# KiCad board 2025_bsides_badge_v1.kicad_pcb (continued)
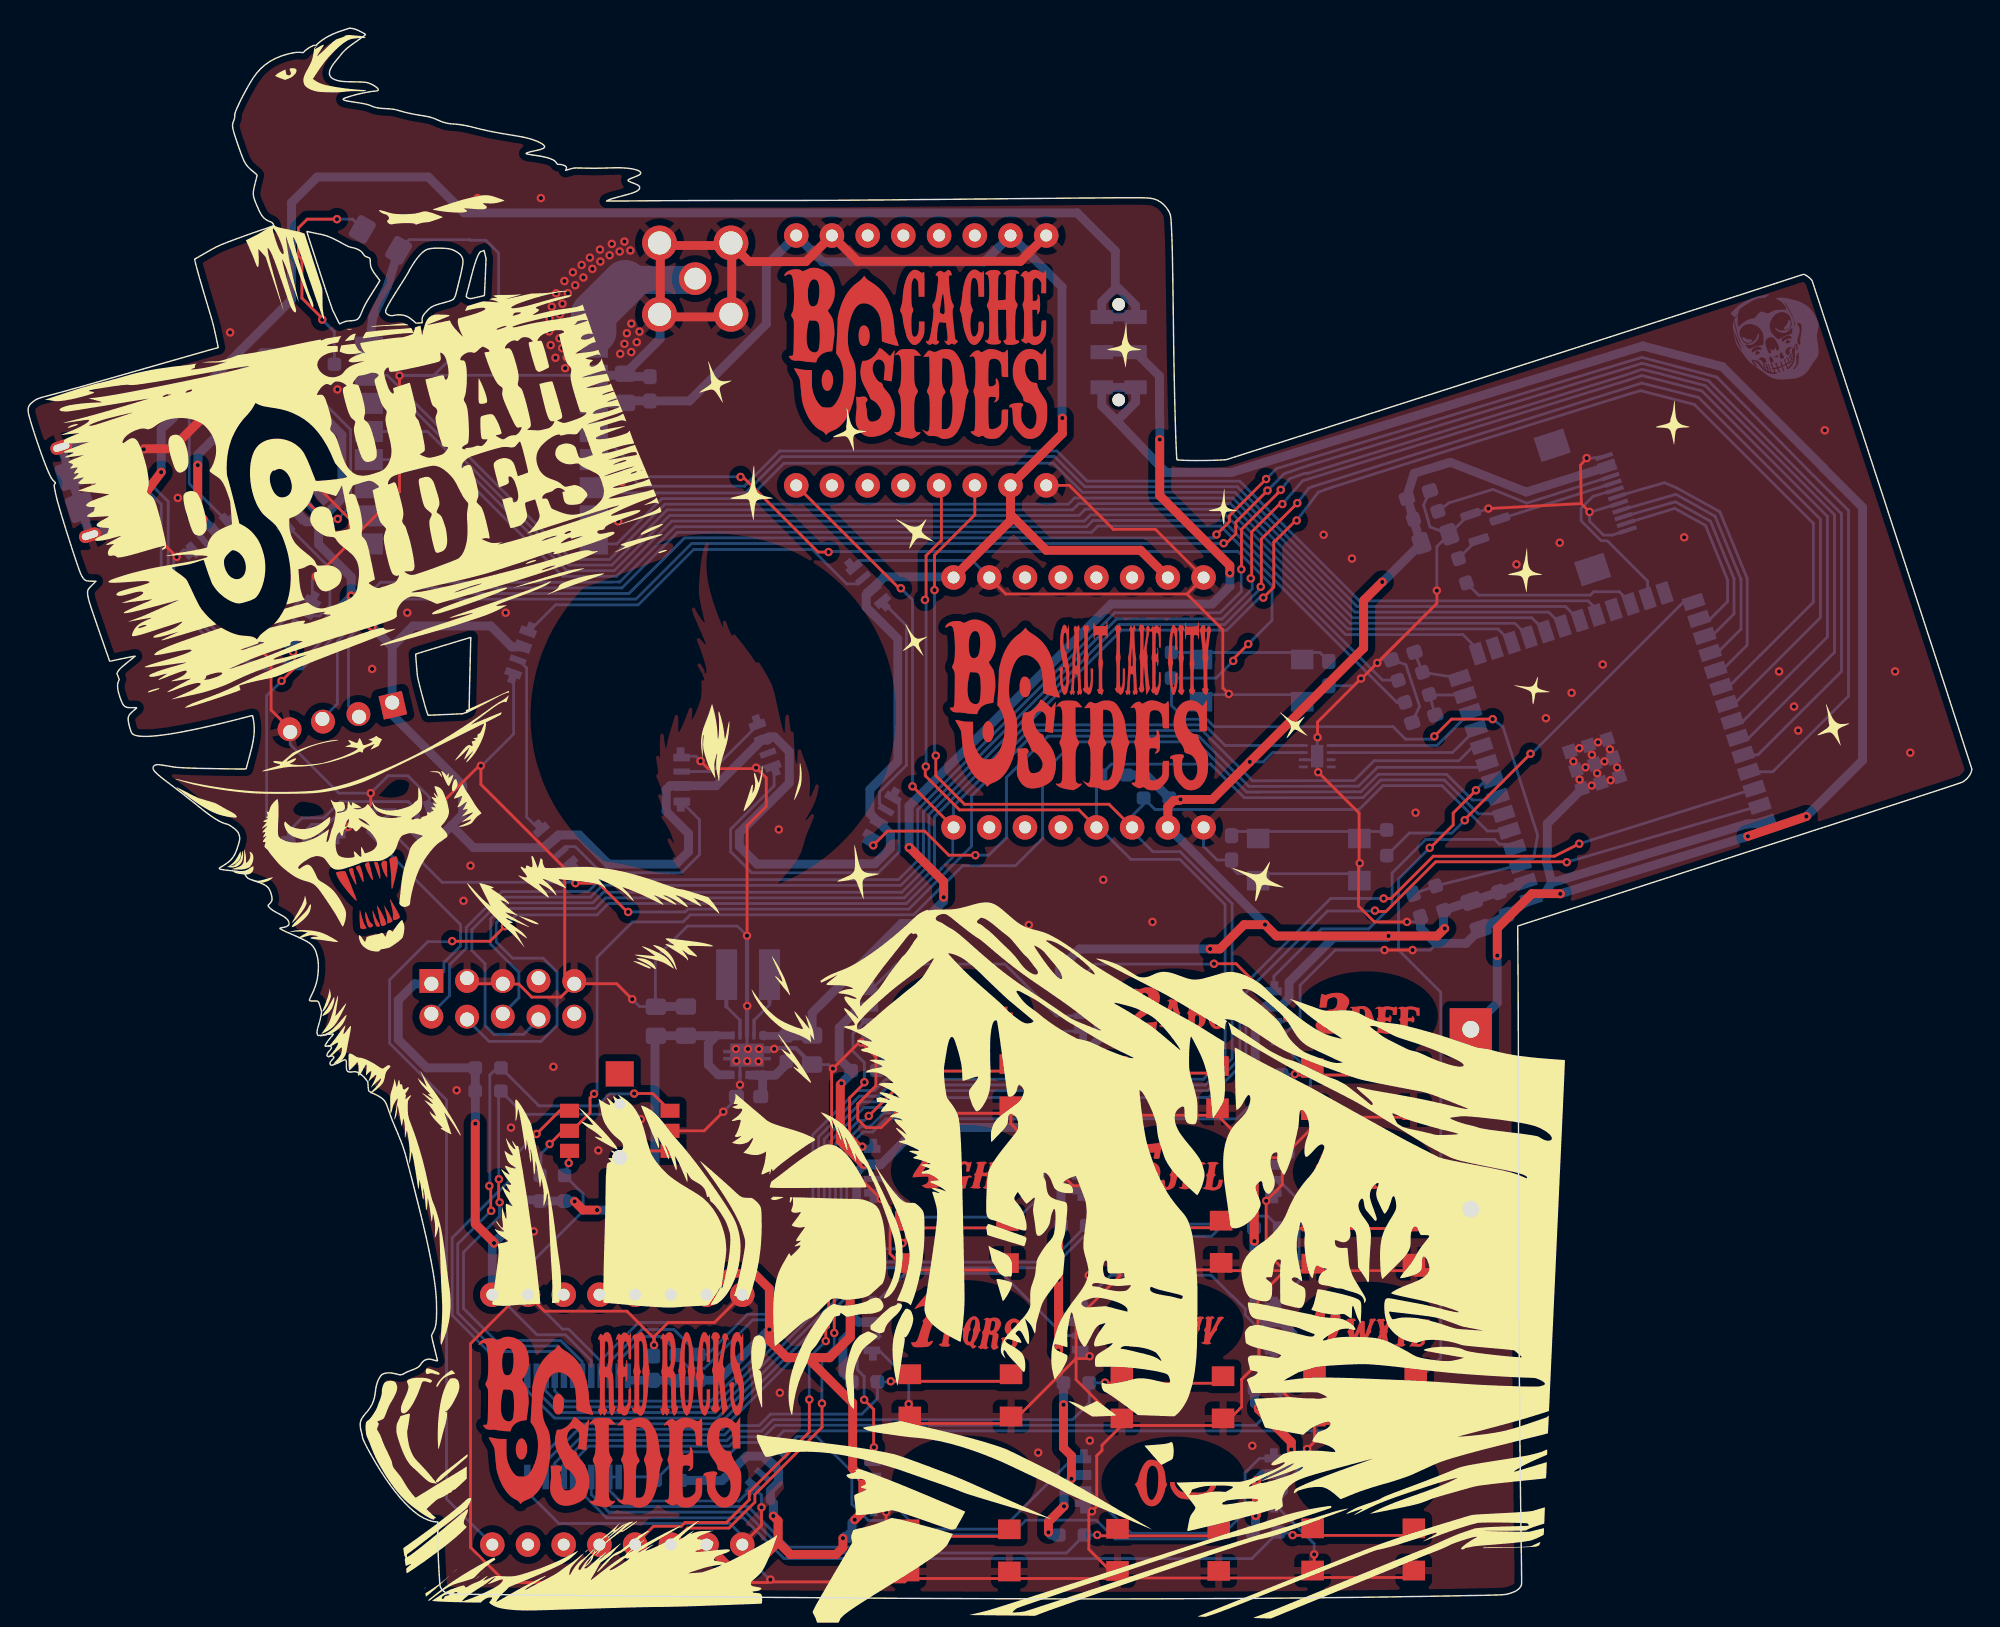
[diagram p0: board, top side]
## Routing (per net, layer and track width the routed paths; a pad name or vN(x,y) marks a point on that pad's centre or on a via; arc(x,y) is an arc through that point) (continued)
Net-(D18-DOUT): length 6.9
  Bottom w0.2: D18.3 48.58,58.86 D19.1
Net-(D20-DOUT): length 10.9
  Bottom w0.2: D20.3 27.55,56.2 27.03,56.73 22.2,56.73 21.03,55.56 19.48,55.56 18.82,54.91 18.82,54.11 D21.1
Net-(D21-DOUT): length 20.4
  Top w0.2: v1(18.84,67.37) 18.96,67.25 18.96,66.25 v1(18.02,65.32)
  Bottom w0.2: v1(18.84,67.37) 18.77,67.45 18.77,67.85 18.64,67.98 D22.1 ; v1(18.02,65.32) 16.96,64.25 16.96,54.34 18.64,52.67 19.81,52.67 20.84,53.7 D21.3
Net-(D22-DOUT): length 9.2
  Bottom w0.2: D23.1 21.46,73.34 21.46,70.67 20.74,69.94 19.86,69.94 D22.3
Net-(D23-DOUT): length 18.1
  Top w0.2: v1(22.02,76.84) 21.05,76.84 v1(19.63,78.26)
  Bottom w0.2: v1(19.63,78.26) 20.01,77.88 D23.3 ; v1(22.02,76.84) 22.93,77.75 22.93,83.2 19.4,86.73 D24.1
Net-(D24-DOUT): length 13
  Bottom w0.2: D24.3 14.22,86.14 13.44,86.14 11.46,84.17 11.46,79.34 D25.1
Net-(D27-A): length 15.9
  Top w0.2: v1(21.96,98.17) 19.85,98.17 19.22,97.54 19.22,95.54 19.47,95.29 19.47,92.55 20.92,91.11 v1(20.92,91.02)
  Bottom w0.2: v1(20.92,91.02) 21.78,90.15 R27.2 ; v1(21.96,98.17) 23.07,98.17 23.77,97.47 D27.2
Net-(J1-Pad9): length 13.1
  Bottom w0.2: R11.2 101.04,77.98 104.17,78.94 106.58,77.96 J1.9
Net-(J4-D+): length 109.5
  Bottom w0.2: 37.96,72.33 37.93,72.33 ; 37.96,72.33 42.07,72.35 46.01,76.29 75.29,76.29 75.73,76.73 84.97,76.73 96.32,65.37 97.29,65.37 ; 37.96,72.33 25.06,72.33 19.4,66.67 15.03,66.67 9.96,71.73 9.96,77.44 9.96,77.44 9.96,78.07 8.26,79.78 6.06,79.78 J4.3
Net-(J4-D-): length 110.2
  Bottom w0.2: 6.44,79.17 6.53,79.26 8.1,79.26 9.46,77.89 9.46,71.67 14.96,66.17 19.46,66.17 25.23,71.93 42.23,71.93 46.18,75.89 75.64,75.89 76.08,76.33 84.8,76.33 97.34,63.79 R25.2 ; 6.29,79.19 J4.2
Net-(Q1-B): length 2
  Bottom w0.2: R10.2 103.06,75.35 Q1.1
Net-(Q1-C): length 8.4
  Bottom w0.2: J1.8 Q1.3
Net-(SW15-B): length 76.7
  Top w0.635: v1(80.48,82.49) 80.48,78.5 85.46,73.52 v1(85.46,72.99) ; v1(62.65,53.46) 62.69,53.46 65.11,51.03 v1(65.11,49.92)
  Bottom w0.2: 53.89,40.08 R31.1 ; 55.72,40.06 C8.1 ; U1.5 52.14,40.08
  Bottom w0.55: R31.1 52.37,40.06
  Bottom w0.635: v1(65.11,49.92) 65.11,49.65 63.52,48.06 62.13,48.06 55.76,41.68 C8.1 ; 52.37,40.06 52.32,40.11 ; v1(85.46,72.99) 85.46,72.03 84.21,70.78 77.03,70.78 62.65,56.41 v1(62.65,53.46) ; v1(80.48,82.49) 80.48,84.15 80.46,84.17 80.46,85.86 80.46,85.86 80.46,87 SW15.2 SW15.2 ; R31.1 55.72,40.06
Net-(U1-EN): length 4.7
  Bottom w0.635: 51.34,37.27 51.87,37.27 51.87,37.26 ; R31.2 53.91,38.03 53.14,37.26 52.36,37.26 ; 52.24,35.78 52.24,37.14 52.36,37.26 ; 52.36,37.26 51.87,37.26 ; 51.87,37.26 51.85,37.24 ; 52.24,37.29 52.24,37.29
Net-(U1-L1): length 4.8
  Bottom w0.2: 52.73,42.43 52.73,42.26 51.63,41.16
  Bottom w0.25: U1.4 51.63,41.16
  Bottom w0.3: 52.73,42.43 L1.1
Net-(U1-L2): length 4.1
  Bottom w0.2: 50.63,41.18 49.65,42.15
  Bottom w0.25: U1.2 50.63,41.18
  Bottom w0.3: 49.65,42.15 49.65,43.79
Net-(U7-P00): length 32.3
  Top w0.2: v1(61.37,4.43) 61.39,4.45 69.78,4.45
  Bottom w0.2: v1(61.37,4.43) 60.45,4.43 R1.2 59.64,3.69 54.07,3.69 51.2,6.57 41.47,6.57 40.7,7.33 U7.4
Net-(U7-P01): length 48.2
  Top w0.2: v1(76.04,4.55) 76.1,4.49 84.67,4.49
  Bottom w0.2: v1(76.04,4.55) 76.03,4.54 R2.2 73.85,3.27 53.93,3.27 51.03,6.17 41.31,6.17 40.05,7.42 U7.5
Net-(U7-P02): length 63.1
  Top w0.2: v1(89.93,4.54) 89.95,4.52 98.55,4.52
  Bottom w0.2: v1(89.93,4.54) 89.79,4.68 88.85,4.68 87.03,2.87 53.76,2.87 50.86,5.77 41.14,5.77 39.4,7.5 U7.6
Net-(U7-P03): length 63.9
  Top w0.2: 98.69,15.48 90.37,15.48 v1(90.22,15.33)
  Bottom w0.2: v1(90.22,15.33) 89.85,14.95 R4.2 89.04,14.09 87.31,12.35 53.14,12.35 52.32,11.53 50.53,11.53 49.86,10.87 39.87,10.87 38.75,9.75 U7.7
Net-(U7-P04): length 51.2
  Top w0.2: v1(76.59,15.39) 76.63,15.34 84.98,15.34
  Bottom w0.2: v1(76.59,15.39) 76.57,15.37 R5.2 75.46,13.93 74.28,12.75 52.97,12.75 52.15,11.93 50.36,11.93 49.7,11.27 39.62,11.27 38.1,9.75 U7.8
Net-(U7-P05): length 36.8
  Top w0.2: 69.91,15.48 61.35,15.48 v1(61.35,15.48)
  Bottom w0.2: v1(61.35,15.48) 61.32,15.45 R6.2 60.41,14.27 59.29,13.15 52.81,13.15 51.99,12.33 50.19,12.33 49.53,11.67 39.45,11.67 37.45,9.67 U7.9
  Bottom w0.635: 60.19,15.59 60.45,15.59
Net-(U7-P06): length 70.5
  Top w0.2: v1(89.77,26.29) 89.84,26.35 98.56,26.35
  Bottom w0.2: U7.10 36.8,9.75 39.12,12.07 49.36,12.07 60.86,23.56 72.83,23.56 75.07,25.8 84.16,25.8 85.6,27.23 88.16,27.23 R7.2 89.1,26.29 v1(89.77,26.29)
Net-(U7-P07): length 56.8
  Top w0.2: 84.84,26.41 76.49,26.41 v1(76.35,26.55)
  Bottom w0.2: U7.11 36.15,9.75 38.87,12.47 49.2,12.47 60.69,23.96 72.67,23.96 R8.2 76.33,26.57 v1(76.35,26.55)
Net-(U7-P10): length 43.4
  Top w0.2: 62.45,26.4 62.45,25.58 v1(62.19,25.31) 63.27,26.4 69.65,26.4
  Bottom w0.2: U7.13 35.5,14.8 37.44,12.87 49.03,12.87 60.17,24.01 R15.2 61.78,24.9 v1(62.19,25.31)
Net-(U7-P11): length 80.1
  Top w0.2: 98.53,37.27 90.15,37.27 v1(90.09,37.33)
  Bottom w0.2: v1(90.09,37.33) 90.07,37.31 R16.2 89.11,37.31 85.96,34.16 61,34.16 60.06,33.22 59.39,33.22 58.22,32.04 58.22,27.78 58.81,27.19 58.81,23.21 48.87,13.27 37.69,13.27 36.15,14.8 U7.14
Net-(U7-P12): length 66.4
  Top w0.2: v1(73.03,35.07) 73.03,35.12 75.47,37.57 v1(75.96,37.57) 76.12,37.41 84.58,37.41
  Bottom w0.2: R17.2 75.32,37.81 75.56,37.57 v1(75.96,37.57) ; v1(73.03,35.07) 72.86,35.07 72.36,34.56 60.83,34.56 59.89,33.62 59.23,33.62 57.82,32.21 57.82,27.61 58.41,27.02 58.41,23.38 48.7,13.67 37.94,13.67 36.8,14.8 U7.15
Net-(U7-P13): length 53.1
  Top w0.2: v1(59.79,34.36) 62.66,37.23 62.66,37.53 62.69,37.55 ; 62.69,37.55 62.69,37.79 62.05,38.42 v1(61.36,38.42) ; 62.69,37.55 69.89,37.55
  Bottom w0.2: v1(59.79,34.36) 59.46,34.03 59.08,34.03 57.42,32.37 57.42,27.45 58.01,26.85 58.01,23.54 48.54,14.07 38.19,14.07 37.45,14.8 U7.16 ; v1(61.36,38.42) 60.75,38.42 60.36,38.03 R18.2
Net-(U7-P14): length 28.8
  Top w0.2: S1.1 37.81,34.73 v1(36.16,33.08)
  Bottom w0.2: U7.17 38.1,16.95 37.46,17.59 32.74,17.59 30.16,20.18 30.16,25.68 R19.2 34.69,31.61 v1(36.16,33.08)
Net-(U7-P15): length 43.6
  Top w0.2: S1.4 44.42,35.95 v1(43.1,35.95) ; v1(32.8,29.38) 32.9,29.28 32.9,27.64 v1(32.93,27.61)
  Bottom w0.2: v1(43.1,35.95) 43.07,35.93 41.35,35.93 40.51,35.08 36.33,35.08 R20.2 33.34,37.78 32.83,37.27 32.83,29.42 v1(32.8,29.38) ; v1(32.93,27.61) 32.91,27.61 30.56,25.26 30.56,20.34 32.91,17.99 37.63,17.99 38.75,16.87 U7.18
Net-(U7-P16): length 41.4
  Top w0.2: v1(33.53,28.21) 33.46,28.28 33.46,29.84 v1(33.48,29.86) ; S1.6 43.8,31.88 v1(43.76,31.92)
  Bottom w0.2: v1(43.76,31.92) 43.67,31.92 41.11,34.48 35.28,34.48 R21.2 33.46,35.98 33.46,29.87 v1(33.48,29.86) ; v1(33.53,28.21) 33.53,27.23 30.96,24.67 30.96,20.67 33.24,18.39 37.88,18.39 39.4,16.87 U7.19
Net-(U7-P17): length 22.4
  Top w0.2: S1.3 v1(38.45,31.01)
  Bottom w0.2: U7.20 40.05,16.95 38.21,18.79 36.19,18.79 34.24,20.74 34.24,22.36 39.46,27.59 39.46,28.82 R22.2 v1(38.45,31.01)

## Copper pours and planes (outline as drawn; the poured copper is in the pictures)
GND on Top, Bottom: -7.54,115.17 -7.04,-4.33 143.46,-3.83 142.96,113.17
